# Altium PCB ZJUDancer_Circuit_V3.6.3.PcbDoc (part 1 of 3) (continued)
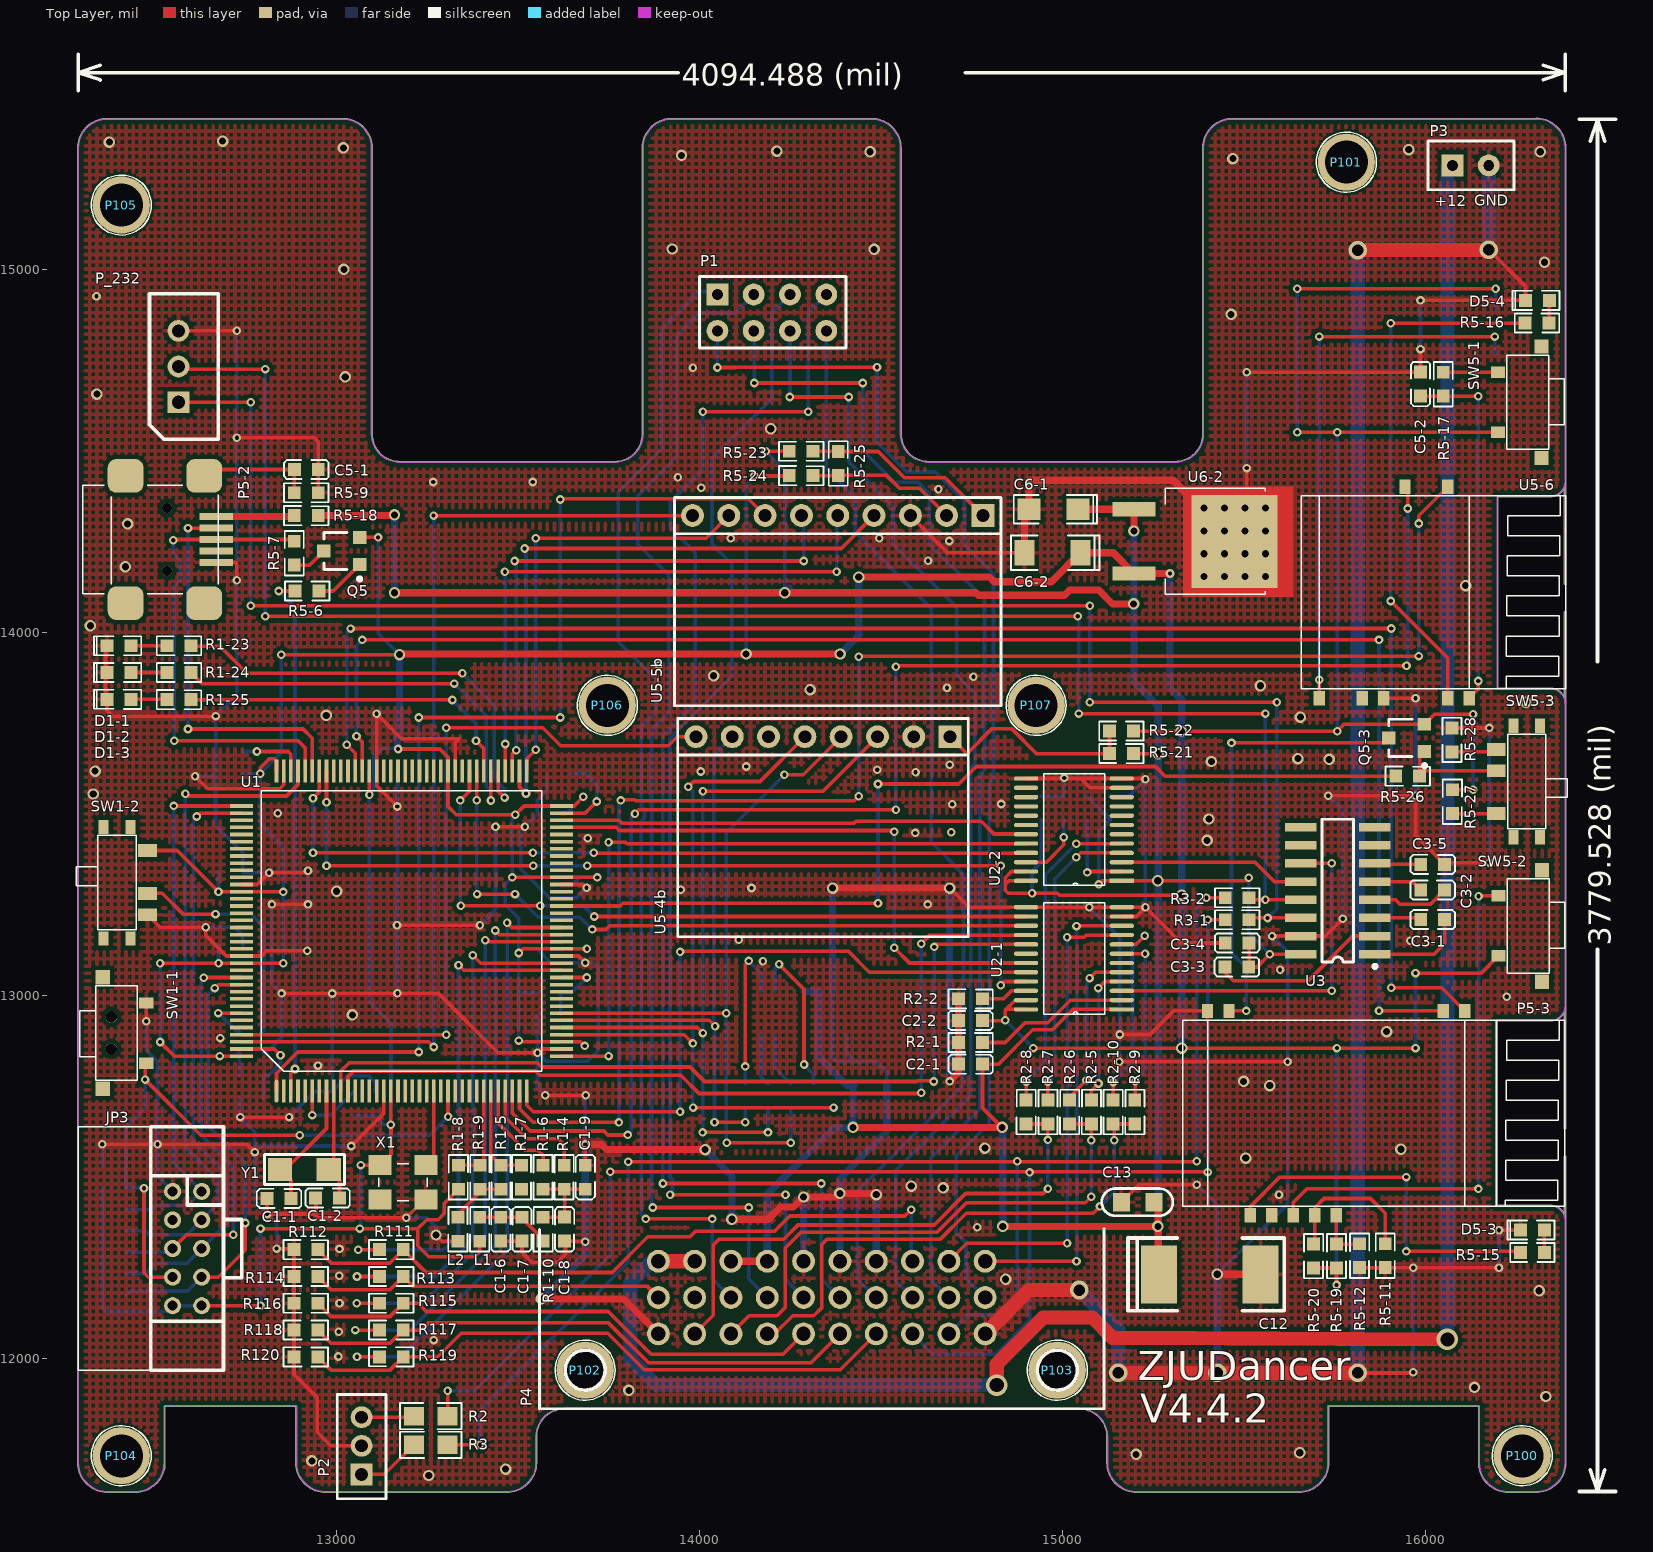
[diagram p0: Top Layer view]
## Components (designator, comment, footprint, x,y, rotation, side; value= is the part's Value field where it differs from the comment) (continued)
R2-7 "Res" 0603_Res 14958.98,12678.27 r90 top
R2-8 "Res" 0603_Res 14899.14,12678.27 r90 top
R2-9 "Res" 0603_Res 15198.35,12678.27 r90 top
R2-10 "Res" 0603_Res 15138.5,12678.27 r90 top
R3 "4.7k" 0805R 13305.66,11761.46 r180 top
R3-1 "Res_0603" 0603_Res 15480.4,13207.8 r180 top
R3-2 "Res_0603" 0603_Res 15480.4,13268.29 r180 top
R4-1 "Res_0603" 0603_Res 14313.32,12723.42 r270 bottom
R4-2 "Res_0603" 0603_Res 14187.99,12723.42 r270 bottom
R4-3 "Res_0603" 0603_Res 14125.33,12723.42 r270 bottom
R4-4 "Res_0603" 0603_Res 14250.65,12723.42 r270 bottom
R5-6 "Res" 0603_Res 12918.73,14113.19 r180 top
R5-7 "Res" 0603_Res 12883.3,14217.52 r90 top
R5-9 "Res" 0603_Res 12916.34,14383.86 r0 top
R5-11 "Res" 0603_Res 15888.09,12282.48 r270 top
R5-12 "Res" 0603_Res 15817.61,12282.48 r270 top
R5-15 "Res_0603" 0603_Res 16293.31,12291.34 r180 top
R5-16 "Res_0603" 0603_Res 16306.1,14851.38 r180 top
R5-17 "Res_0603" 0603_Res 16047.83,14682.87 r270 top
R5-18 "Res_0603" 0603_Res 12916.34,14320.87 r0 top
R5-19 "Res" 0603_Res 15753.94,12281.5 r270 top
R5-20 "Res" 0603_Res 15690.94,12281.5 r270 top
R5-21 "Res" 0603_Res 15161.42,13665.35 r180 top
R5-22 "Res" 0603_Res 15161.42,13727.36 r180 top
R5-23 "Res" 0603_Res 14279.54,14498.15 r0 top
R5-24 "Res" 0603_Res 14279.54,14431.02 r0 top
R5-25 "Res" 0603_Res 14381.48,14464.49 r90 top
R5-26 "Res_0603" 0603_Res 15949.8,13603.35 r0 top
R5-27 "Res_0603" 0603_Res 16072.83,13532.91 r270 top
R5-28 "Res_0603" 0603_Res 16071.85,13703.18 r90 top
R111 "Res" 0603_Res 13150.59,12299.14 r180 top
R112 "Res" 0603_Res 12915.35,12299.22 r0 top
R113 "Res" 0603_Res 13150.59,12225.32 r180 top
R114 "Res" 0603_Res 12915.35,12225.4 r0 top
R115 "Res" 0603_Res 13150.59,12151.5 r180 top
R116 "Res" 0603_Res 12915.35,12151.58 r0 top
R117 "Res" 0603_Res 13150.59,12077.68 r180 top
R118 "Res" 0603_Res 12915.35,12077.76 r0 top
R119 "Res" 0603_Res 13150.59,12003.86 r180 top
R120 "Res" 0603_Res 12915.35,12003.94 r0 top
SW1-1 "Button_smd_ce" BUTTON_SMD_CE 12405.04,12895.79 r270 top
SW1-2 "Switch_MSK-01B" SWITCH_MSK-01B 12395.39,13309.99 r270 top
SW5-1 "Button_smd_ce" Button_smd_ce_hl 16269.21,14632.99 r90 top
SW5-2 "Button_smd_ce" Button_smd_ce_hl 16270.67,13190.94 r90 top
SW5-3 "Switch_MSK-01B" Switch_MSK-01B 16277.56,13588.58 r90 top
SW5-6 "Switch_MSK-01B" Switch_MSK-01B 16275.65,14796.26 r270 bottom
U1 "STM32F407Z" STM32F407_LQFP144 12834.44,12727.95 r90 top
U2-1 "SN74LVC4245" SN74LVC4245_SOP24_Small 15030.69,13101.61 r180 top
U2-2 "SN74LVC4245" SN74LVC4245_SOP24_Small 15030.69,13455.94 r180 top
U3 "MAX232" MAX232_SOIC16 15857.4,13112.91 r180 top
U5-4b "MPU6000_module_dip" MPU6000_module_dip 14689.57,13711.99 r180 top locked
U5-5b "HMC5983-module-dip" HMC5983-module-dip 14780.13,14320.99 r180 top locked
U5-6 "HM11" HM11 15706.22,14375.12 r270 top locked
U6-2 "LD29150_3.3" DPAK_LD29150-3.3 15479.17,14250 r270 top
X1 "XTAL" XTAL_SOURCE_8M_3225 13182.86,12484.84 r0 top
Y1 "Crystal_ns_3215" Crystal_ns_3215 12911.2,12520.27 r180 top
? "gpyo-connector" gypo-connector 14129.61,12892.83 r0 bottom locked

## Footprints (in the part's own frame and the unit in brackets; to place one, negate y for a bottom-side part, rotate by r counter-clockwise, add the part's x,y. Pads: shape width x height; smd on the part's side, far side on the other; paste and mask are expansions set on the pad)
0603_INDUCTOR [mm]
  rect 0.9x0.9 smd: 1(-0.836,0) 2(0.836,0)
  silkscreen extent -1.56,-0.67 1.55,0.67, body extent -0.81,-0.4 0.81,0.4, height 0.39
0603_LED [mm]
  rect 0.9x0.9 smd: 1(-0.836,0) 2(0.836,0)
  silkscreen extent -1.56,-0.67 1.74,0.67, body extent -0.81,-0.4 0.81,0.4, height 0.39
0603_Res [mm]
  rect 0.9x0.9 smd: 1(-0.836,0) 2(0.836,0)
  silkscreen extent -1.56,-0.67 1.55,0.67, body extent -0.81,-0.4 0.81,0.4, height 0.39
0603_RES [mm]
  rect 0.9x0.9 smd: 1(-0.836,0) 2(0.836,0)
  silkscreen extent -1.56,-0.67 1.55,0.67, body extent -0.81,-0.4 0.81,0.4, height 0.39
0805c [mm]
  rect 1.2x1.3 smd: 1(0,0) 2(2.286,0)
  silkscreen extent -1.37,-0.95 3.59,0.95
0805R [mm]
  rect 1.4x1.3 smd: 1(0,0) 2(2.362,0)
  silkscreen extent -0.97,-0.91 3.33,0.91
"5264-3 - wan" [mil]
  rect 60x60 hole 36: 1(-98.43,0)
  round 60 hole 36: 2(0,0) 3(98.43,0)
  silkscreen extent -200,-110 200,80, body extent -199,-14 195,278, height 197
8550_SOT23 [mm]
  rect 0.9x0.95 smd: 1(-0.95,-1.25) 2(0.95,-1.25) 3(0,1.25)
  silkscreen extent -2.07,-1.38 1.3,1.25, body extent -1.45,-1.47 1.45,1.33, height 1.2
BlueTooth_BC04-B [mm]
  rect 1x0.8 smd: 1(-0.65,18) 2(-0.65,16.5) 12(-0.65,1.5) 13(-0.65,0) 24(13.65,3) 25(13.65,4.5) 26(13.65,6) 27(13.65,7.5) 28(13.65,9)
  silkscreen extent 0,-1.75 13,25
BUTTON_SMD_CE [mm]
  rect 1x1 smd: 0(-3.9,-1.25) 0(3.9,-1.25)
  rect 0.8x1 smd: 1(2.1,1.8) 2(-2.1,1.8)
  round 0.8 hole 0.8: 5(-1.125,-0.65) 5(1.125,-0.65)
  silkscreen extent -3.3,-2.85 3.3,1.17, body extent -3.95,-2.7 3.85,2, height 3.42
Button_smd_ce_hl [mm]
  rect 1x1 smd: 0(-3.9,-1.25) 0(3.9,-1.25)
  rect 0.8x1 smd: 1(2.1,1.8) 2(-2.1,1.8)
  silkscreen extent -3.3,-2.85 3.3,1.17, body extent -3.95,-2.7 3.85,2, height 3.42
CAP_0603 [mm]
  rect 0.9x0.9 smd: 1(-0.836,0) 2(0.836,0)
  silkscreen extent -1.56,-0.67 1.55,0.67, body extent -0.84,-0.42 0.83,0.42, height 0.56
Cap_0603 [mm]
  rect 0.9x0.9 smd: 1(-0.836,0) 2(0.836,0)
  silkscreen extent -1.56,-0.67 1.55,0.67, body extent -0.83,-0.41 0.83,0.43, height 0.56
Crystal_ns_3215 [mm]
  rect 1.7x1.6 smd: 1(-1.7,0) 2(1.7,0)
  silkscreen extent -2.8,-1.05 2.8,1.05, body extent -1.6,-0.75 1.6,0.75, height 0.82
"DIN 41612-30P/P" [mm]
  round 2.8 hole 2.8 mask+0: 0(-27.91,7.62)
  oval 0x2.8 hole 2.8 mask+0: 0(5.12,7.62)
  round 1.6 hole 1: 1(0,0) 2(-2.54,0) 3(-5.08,0) 4(-7.62,0) 5(-10.16,0) 6(-12.7,0) 7(-15.24,0) 8(-17.78,0) 9(-20.32,0) 10(-22.86,0) 11(0,2.54) 12(-2.54,2.54) 13(-5.08,2.54) 14(-7.62,2.54) 15(-10.16,2.54) 16(-12.7,2.54) 17(-15.24,2.54) 18(-17.78,2.54) 19(-20.32,2.54) 20(-22.86,2.54) 21(0,5.08) 22(-2.54,5.08) 23(-5.08,5.08) 24(-7.62,5.08) 25(-10.16,5.08) 26(-12.7,5.08) 27(-15.24,5.08) 28(-17.78,5.08) 29(-20.32,5.08) 30(-22.86,5.08)
  silkscreen extent -31.17,-2.27 8.32,10.33
DPAK_LD29150-3.3 [mm]
  rect 1x3 smd: 1(-2.25,-7.196) 3(2.25,-7.196)
  rect 6.5x6 smd: 2(0,-0.163)
  silkscreen extent -3.7,-5 3.7,2, body extent -3.25,-8 3.25,2, height 2.32
gypo-connector [mm]
  oval 0.6x2.5 smd: 1(0,0) 2(0,-3) 3(1,0) 4(1,-3) 5(2,0) 6(2,-3) 7(3,0) 8(3,-3) 9(4,0) 10(4,-3) 11(5,0) 12(5,-3) 13(6,0) 14(6,-3) 15(7,0) 16(7,-3) 17(8,0) 18(8,-3) 19(9,0) 20(9,-3) 21(10,0) 22(10,-3) 23(11,0) 24(11,-3)
  silkscreen extent -0.6,-4.5 11.6,1.5
HEADER2.0_3 [mil]
  rect 60x60 hole 35.43: 1(0,0)
  round 60 hole 35.43: 2(78.74,0) 3(157.48,0)
  silkscreen extent -67,-67 220,67
HEADER2.54_2 [mil]
  rect 60x60 hole 30: 1(0,0)
  round 60 hole 30: 2(100,0)
  silkscreen extent -67,-67 169,67
HEADER2.54_4*2 [mil]
  rect 60x60 hole 30: 1(0,0)
  round 60 hole 30: 2(100,0) 3(200,0) 4(300,0) 5(0,-100) 6(100,-100) 7(200,-100) 8(300,-100)
  silkscreen extent -49,-148 354,49
HM11 [mm]
  rect 1x0.8 smd: 2(-0.65,9) 4(-0.65,6) 9(14.15,0) 11(14.15,3) 12(14.15,4.5) 15(14.15,9) 16(14.15,10.5)
  silkscreen extent 0,-1.25 13.5,17.25, body extent 0,-1.25 13.5,17.25, height 1.63
HMC5983-module-dip [mm] "Connector; Header; 9 Position"
  rect 1.6x1.6 hole 0.9: 1(0,0)
  round 1.6 hole 0.9: 2(2.54,0) 3(5.08,0) 4(7.62,0) 5(10.16,0) 6(12.7,0) 7(15.24,0) 8(17.78,0) 9(20.32,0)
  silkscreen extent -1.27,-1.27 21.59,13.3
ISP_MIN [mm]
  round 1.2 hole 0.7: 1(-4,-1.016) 2(-4,1.016) 3(-2,-1.016) 4(-2,1.016) 5(0,-1.016) 6(0,1.016) 7(2,-1.016) 8(2,1.016) 9(4,-1.016) 10(4,1.016)
  silkscreen extent -8.51,-3.81 8.51,7.63, body extent -8.61,-1.22 8.59,7.63, height 5.42
MAX232_SOIC16 [mm]
  rect 2.2x0.6 smd: 1(-0.06,0) 2(-0.06,-1.27) 3(-0.06,-2.54) 4(-0.06,-3.81) 5(-0.06,-5.08) 6(-0.06,-6.35) 7(-0.06,-7.62) 8(-0.06,-8.89) 9(5.14,-8.89) 10(5.14,-7.62) 11(5.14,-6.35) 12(5.14,-5.08) 13(5.14,-3.81) 14(5.14,-2.54) 15(5.14,-1.27) 16(5.14,0)
  silkscreen extent -0.18,-9.44 3.64,0.97, body extent -0.45,-9.4 5.55,0.5, height 1.64
MPU6000_module_dip [mm] "Connector; Header; 8 Position"
  rect 1.6x1.6 hole 0.9: 1(0,0)
  round 1.6 hole 0.9: 2(2.54,0) 3(5.08,0) 4(7.62,0) 5(10.16,0) 6(12.7,0) 7(15.24,0) 8(17.78,0)
  silkscreen extent -1.27,-1.27 19.05,14
SN74LVC4245_SOP24_Small [mm]
  rect 1.7x0.3 smd: 1(-3.35,3.575)
  oval 1.7x0.3 smd: 2(-3.35,2.925) 3(-3.35,2.275) 4(-3.35,1.625) 5(-3.35,0.975) 6(-3.35,0.325) 7(-3.35,-0.325) 8(-3.35,-0.975) 9(-3.35,-1.625) 10(-3.35,-2.275) 11(-3.35,-2.925) 12(-3.35,-3.575) 13(3.35,-3.575) 14(3.35,-2.925) 15(3.35,-2.275) 16(3.35,-1.625) 17(3.35,-0.975) 18(3.35,-0.325) 19(3.35,0.325) 20(3.35,0.975) 21(3.35,1.625) 22(3.35,2.275) 23(3.35,2.925) 24(3.35,3.575)
  silkscreen extent -2.16,-3.9 2.12,3.9, body extent -3.21,-3.9 3.19,3.9, height 0.95
STM32F407_LQFP144 [mm]
  oval 1.6x0.254 smd: 1(0.2,0)
  rect 1.6x0.254 smd: 2(0.2,-0.5) 3(0.2,-1) 4(0.2,-1.5) 5(0.2,-2) 6(0.2,-2.5) 7(0.2,-3) 8(0.2,-3.5) 9(0.2,-4) 10(0.2,-4.5) 11(0.2,-5) 12(0.2,-5.5) 13(0.2,-6) 14(0.2,-6.5) 15(0.2,-7) 16(0.2,-7.5) 17(0.2,-8) 18(0.2,-8.5) 19(0.2,-9) 20(0.2,-9.5) 21(0.2,-10) 22(0.2,-10.5) 23(0.2,-11) 24(0.2,-11.5) 25(0.2,-12) 26(0.2,-12.5) 27(0.2,-13) 28(0.2,-13.5) 29(0.2,-14) 30(0.2,-14.5) 31(0.2,-15) 32(0.2,-15.5) 33(0.2,-16) 34(0.2,-16.5) 35(0.2,-17) 36(0.2,-17.5) 73(22.6,-17.5) 74(22.6,-17) 75(22.6,-16.5) 76(22.6,-16) 77(22.6,-15.5) 78(22.6,-15) 79(22.6,-14.5) 80(22.6,-14) 81(22.6,-13.5) 82(22.6,-13) 83(22.6,-12.5) 84(22.6,-12) 85(22.6,-11.5) 86(22.6,-11) 87(22.6,-10.5) 88(22.6,-10) 89(22.6,-9.5) 90(22.6,-9) 91(22.6,-8.5) 92(22.6,-8) 93(22.6,-7.5) 94(22.6,-7) 95(22.6,-6.5) 96(22.6,-6) 97(22.6,-5.5) 98(22.6,-5) 99(22.6,-4.5) 100(22.6,-4) 101(22.6,-3.5) 102(22.6,-3) 103(22.6,-2.5) 104(22.6,-2) 105(22.6,-1.5) 106(22.6,-1) 107(22.6,-0.5) 108(22.6,0)
  rect 0.254x1.6 smd: 37(2.65,-19.95) 38(3.15,-19.95) 39(3.65,-19.95) 40(4.15,-19.95) 41(4.65,-19.95) 42(5.15,-19.95) 43(5.65,-19.95) 44(6.15,-19.95) 45(6.65,-19.95) 46(7.15,-19.95) 47(7.65,-19.95) 48(8.15,-19.95) 49(8.65,-19.95) 50(9.15,-19.95) 51(9.65,-19.95) 52(10.15,-19.95) 53(10.65,-19.95) 54(11.15,-19.95) 55(11.65,-19.95) 56(12.15,-19.95) 57(12.65,-19.95) 58(13.15,-19.95) 59(13.65,-19.95) 60(14.15,-19.95) 61(14.65,-19.95) 62(15.15,-19.95) 63(15.65,-19.95) 64(16.15,-19.95) 65(16.65,-19.95) 66(17.15,-19.95) 67(17.65,-19.95) 68(18.15,-19.95) 69(18.65,-19.95) 70(19.15,-19.95) 71(19.65,-19.95) 72(20.15,-19.95) 109(20.15,2.45) 110(19.65,2.45) 111(19.15,2.45) 112(18.65,2.45) 113(18.15,2.45) 114(17.65,2.45) 115(17.15,2.45) 116(16.65,2.45) 117(16.15,2.45) 118(15.65,2.45) 119(15.15,2.45) 120(14.65,2.45) 121(14.15,2.45) 122(13.65,2.45) 123(13.15,2.45) 124(12.65,2.45) 125(12.15,2.45) 126(11.65,2.45) 127(11.15,2.45) 128(10.65,2.45) 129(10.15,2.45) 130(9.65,2.45) 131(9.15,2.45) 132(8.65,2.45) 133(8.15,2.45) 134(7.65,2.45) 135(7.15,2.45) 136(6.65,2.45) 137(6.15,2.45) 138(5.65,2.45) 139(5.15,2.45) 140(4.65,2.45) 141(4.15,2.45) 142(3.65,2.45) 143(3.15,2.45) 144(2.65,2.45)
  silkscreen extent 1.59,-18.56 21.21,1.06, body extent 0.4,-19.75 22.4,2.25, height 1.5
SWITCH_MSK-01B [mm]
  rect 1x0.7 smd: 0(-3.9,-0.948) 0(-3.9,0.923) 0(3.9,-0.948) 0(3.9,0.923)
  rect 0.9x1.3 smd: 1(-2.25,2.127) 2(0.75,2.127) 3(2.25,2.127)
  silkscreen extent -3.3,-2.85 3.3,1.33, body extent -3.9,-2.85 3.9,2.35, height 1.42
Switch_MSK-01B [mm]
  rect 1x0.7 smd: 0(-3.9,-0.948) 0(-3.9,0.923) 0(3.9,-0.948) 0(3.9,0.923)
  rect 0.9x1.3 smd: 1(-2.25,2.127) 2(0.75,2.127) 3(2.25,2.127)
  silkscreen extent -3.3,-2.85 3.3,1.33, body extent -3.9,-2.85 3.9,2.35, height 1.42
TCAP_3216A [mm]
  rect 1.6x1.5 smd: 1(-1.8,0) 2(1.65,0)
  silkscreen extent -3.13,-1 2.7,1, body extent -1.65,-0.8 1.65,0.8, height 1.6
TCAP_3528A [mm]
  rect 1.4x1.8 smd: 1(-1.95,0) 2(1.95,0)
  silkscreen extent -3.3,-1.2 2.9,1.2, body extent -1.8,-1.4 1.8,1.4, height 1.8
TCap_7343D [mil]
  rect 100x160 smd: 1(-140,0) 2(140,0)
  silkscreen extent -225,-100 205,100
USB-MINI-B [mm]
  round 0.7 hole 0.7: 0(-2.2,2.9) 0(2.2,2.9)
  rect 0.5x2.35 smd: 1(-1.6,6.335) 2(-0.8,6.335) 3(0,6.335) 4(0.8,6.335) 5(1.6,6.335)
  rrect50% 2.35x2.5 smd: 6(-4.45,5.5) 6(-4.45,0) 6(4.45,5.5) 6(4.45,0)
  silkscreen extent -3.81,-3 3.81,6.48, body extent -5.36,-3.26 5.34,7.14, height 3.97
XTAL_SOURCE_8M_3225 [mm]
  rect 1.6x1.4 smd: 1(-1.6,-1.2) 2(1.6,-1.2) 3(1.6,1.2) 4(-1.6,1.2)
  silkscreen extent -1.7,-1.3 1.7,1.3, body extent -1.6,-1.25 1.6,1.25, height 0.98
小安装孔 [mm]
  round 4 hole 3: 1(0,0)
  silkscreen extent -2.1,-2.1 2.1,2.1

## Part data
C6-1 C6-2: "Tantalum Capacitor,  SMD"
C10 C13: library part Cap, "Capacit"
C12: library part "Cap Tan", "tantalum capacitor"
JP3: "Header, 5-Pin, Dual row"
L1 L2: "电¸"
P1: library part "Header 4"
P3: library part "Header 2", "Header, 2-P"
P4: library part "DIN 41612-3"
P5-2: library part USB_Mini_B
P5-3: "蓝牙模块BC0"
P100 P101 P102 P103 P104 P105 P106 P107: "SMB Straight Con"
Q5 Q5-3: "PNP Bipolar Transistor,  SMD"
R1-1 R1-2 R1-3 R1-4 R1-5 R1-6 R1-7 R1-8 R1-9 R1-10 R1-11 R1-18 R1-19 R1-20 R1-23 R1-24 R1-25 R2-1 R2-2 R2-3 R2-4 R2-5 R2-6 R2-7 R2-8 R2-9 R2-10 R5-6 R5-7 R5-9 R5-11 R5-12 R5-15 R5-16 R5-17 R5-18 R5-19 R5-20 R5-21 R5-22 R5-23 R5-24 R5-25 R5-26 R5-27 R5-28 R111 R112 R113 R114 R115 R116 R117 R118 R119 R120: "Resistor"
R1-12 R1-13 R1-14 R1-15 R1-16 R3-1 R3-2 R4-1 R4-2 R4-3 R4-4: library part Res, "Resistor"
R2 R3: library part Res, "Resist"
U1: "ARM-Cortex-M4-Microcontroller"
U2-1 U2-2: "3.3V-5V电平×"
U3: "+5V Powered, Multi-Channel RS-232 Driver/Receiver"
U5-6: "Bluetooth Module"
X1: library part XTAL_Source_8M_3225, "有源晶Õ"
Y1: "无源¾"

## Via types
v1: diameter 23.62, hole 11.81, Top Layer to Bottom Layer, 354 vias
v2: diameter 31.5, hole 19.68, Top Layer to Bottom Layer, 82 vias
v3: diameter 39.37, hole 19.68, Top Layer to Bottom Layer, 16 vias
v4: diameter 51.18, hole 31.5, Top Layer to Bottom Layer, 6 vias
v5: diameter 59.06, hole 39.37, Top Layer to Bottom Layer, 2 vias

## Nets (pads, with @x,y where several pads share a name; then routed paths per layer and width w, separated by ;. In a path a pad name is that pad's centre, name@x,y a point inside that pad or via, vN(x,y) a via of type N, cw(c..) or ccw(c..) an arc to the next point about the centre after c; other vN are vias at no path point)
+3.3V: C1-10.2 C1-11.2 C1-12.2 C1-13.2 C1-14.2 C1-15.2 C1-16.2 C1-17.2 C1-18.2 C1-19.2 C1-20.2 C2-2.1 C2-4.1 C6-2.1 JP3.1 JP3.2 L1.1 Q5-3.2 Q5.2 R1-1.1 R1-3.2 R1-8.2 R1-12.1 R1-13.1 R1-14.1 R1-15.1 R1-16.1 R1-18.2 R1-20.2 R5-19.2 R5-20.2 R5-22.1 R5-24.1 R5-27.1 SW1-2.1 SW5-1.2 SW5-2.2 SW5-6.1 U1.17 U1.39 U1.52 U1.62 U1.72 U1.84 U1.95 U1.108 U1.121 U1.131 U1.144 U2-1.23 U2-1.24 U2-2.23 U2-2.24 U6-2.3 X1.4 | length 20751.9
  Top Layer w10: SW1-2.1@12479.11,13398.57 12561.07,13398.57 v1(12674.61,13285.04) U1.121@12737.98,13285.04 12852.17,13285.04 v1(12852.76,13284.45) ; v1(12513.78,12871.06) 12552.56,12832.28 v1(12677.75,12832.28) U1.144@12737.98,12832.28 ; v1(12513.78,13088.19) v1(12674.8,13088.19) U1.131@12737.98,13088.19 v1(12852.76,13088.19) ; JP3.1@12628.46,12144.8 v1(12790.35,12144.8) ; v1(12789.37,13610.24) 12789.37,13625.98 12814.96,13651.57 12827.76,13651.57 12834.44,13644.9 U1.108@12834.44,13617.71 ; v1(12790.35,12357.28) v1(13063.98,12357.28) 13223.43,12357.28 ; v1(12847.44,13937.99) v2(13173.23,13937.99) ; Q5.2@13063.42,14260.83 v1(13114.17,14260.83) ; v1(13066.53,12532.08) X1.4@13119.87,12532.08 13149.76,12561.98 v1@13149.76,12643.08 ; v1(13090.34,13552.38) U1.95@13090.34,13617.71 ; v1(13149.4,12643.08) 13149.4,12668.83 ; U1.17@13149.4,12735.83 13149.4,12668.83 ; 13149.76,12668.46 13149.4,12668.83 ; v1(13169.29,13678.15) 13284.02,13678.15 13306.88,13655.29 U1.84@13306.88,13617.71 13306.88,13519.9 13329.72,13497.05 v1(13492.13,13497.05) 13516.34,13521.26 U1.72@13619.87,13521.26 13654.13,13521.26 v1(13679.13,13546.26) ; R1-8.2@13335.42,12465.71 13296.26,12426.56 13296.26,12398.62 13279.53,12381.89 13248.03,12381.89 13223.43,12357.28 ; L1.1@13394.02,12322.51 13394.02,12293.63 13379.92,12279.53 13253.94,12279.53 13223.43,12310.04 13223.43,12357.28 ; v1(13483.66,13324.41) U1.62@13619.87,13324.41 v1(13718.11,13324.41) ; v1(13501.97,12875) 13505.32,12871.65 U1.39@13619.87,12871.65 13671.66,12871.65 v1(13683.07,12860.24) ; v1(13501.97,13116.14) 13513.38,13127.56 U1.52@13619.87,13127.56 v1(13689.37,13127.56) ; v1(14150.59,14430.12) 14245.73,14430.12 R5-24.1@14246.64,14431.02 ; C2-2.1@14778.91,12930.11 14840.54,12930.11 v1(14841.54,12931.1) 14841.54,12958.66 14843.74,12960.86 ; U2-1.24@14898.8,12960.86 14843.74,12960.86 ; U2-1.23@14898.8,12986.45 14869.33,12986.45 14843.74,12960.86 ; U2-2.24@14898.8,13315.19 14851.61,13315.19 14841.54,13305.12 ; U2-2.23@14898.8,13340.78 14858.5,13340.78 14841.54,13323.82 14841.54,13305.12 ; v1(14918.31,12854.33) v2(15327.76,12854.33) v1(15754.92,12854.33) v1(15971.46,12854.33) ; R5-22.1@15194.32,13727.36 v2(15326.77,13727.36) v1(15755.91,13727.36) 15774.6,13746.06 Q5-3.2@15996.06,13746.06 16023.62,13773.62 v1(16129.92,13773.62) ; v2(15327.76,13275.59) 14990.16,13275.59 14985.24,13280.51 v1(14915.35,13280.51) 14850.39,13280.51 14841.54,13289.37 14841.54,13305.12 ; v1(15645.67,14550.31) v1(15755.91,14550.31) SW5-1.2@16198.35,14550.31 ; v1(15645.67,14945.87) v1(16191.93,14945.87) ; R5-20.2@15690.94,12248.59 R5-19.2@15753.94,12248.59 v1(15753.94,12201.77) ; v1@15968.5,13063.98 v1(15971.46,13061.02) ; v1@15971.46,13060.04 16151.58,13060.04 SW5-2.2@16199.8,13108.27 ; R5-27.1@16072.83,13565.81 v1(16129.92,13565.81)
  Top Layer w19.68: v2(13173.23,13937.99) 13175.04,13939.8 v2(14127.95,13939.8) v2(14386.81,13939.8) ; v2(14437.83,14151.57) 14798.23,14151.57 14811.02,14138.78 14968.5,14138.78 C6-2.1@15048.23,14218.5 15138.78,14218.5 U6-2.3@15195.87,14161.42 v1(15295.28,14161.42)
  Bottom Layer w10: R1-3.2@12354.27,12470.54 12354.27,12139.83 12364.17,12129.92 12533.58,12129.92 JP3.2@12548.46,12144.8 JP3.1@12628.46,12144.8 ; v1(12513.78,12871.06) v1(12513.78,13088.19) ; v1(12674.61,13285.04) 12674.61,13337.01 C1-20.2@12675.2,13337.6 ; v1(12674.8,13088.19) 12674.8,13137.65 C1-19.2@12675.54,13138.39 ; v1(12677.75,12832.28) 12723.15,12832.28 C1-18.2@12731.86,12840.99 ; R1-18.2@12731.86,12778.54 C1-18.2@12731.86,12840.99 ; C1-18.2@12732.41,12841.54 C1-18.2@12731.86,12840.99 ; C1-10.2@12741.07,13610.24 v1(12789.37,13610.24) ; v1(12790.35,12144.8) v1(12790.35,12357.28) ; v1(12847.44,13937.99) 12847.44,13668.31 v1(12789.37,13610.24) ; v1(12852.76,13088.19) v1(12852.76,13284.45) 12852.76,13408.07 12789.37,13471.46 v1(12789.37,13610.24) ; R1-20.2@13047.03,12668.47 C1-17.2@13106.08,12668.46 13131.46,12643.08 v1(13149.4,12643.08) 13149.4,12695.5 13149.76,12695.87 13149.76,12923.07 13090.34,12982.49 v1(13090.34,13552.38) 13101.72,13563.76 C1-11.2@13101.72,13617.72 13101.72,13655.85 13125.55,13679.69 v1@13167.75,13679.69 ; v1(13063.98,12357.28) 13066.53,12359.84 v1(13066.53,12532.08) ; v1(13114.17,14260.83) 13114.17,13997.05 v2(13173.23,13937.99) ; v1(13483.66,13324.41) v1@13483.66,13325.2 ; v1(13492.13,13497.05) 13483.66,13488.59 v1@13483.66,13325.2 ; v1(13501.97,12875) 13501.97,13007.2 ; R1-1.1@13551.17,13007.2 13501.97,13007.2 ; C1-16.2@13616.79,12870.66 13672.65,12870.66 v1(13683.07,12860.24) ; C1-14.2@13618.11,13302.17 13647.64,13302.17 13669.88,13324.41 v1(13718.11,13324.41) ; C1-13.2@13618.54,13498.03 13630.9,13498.03 v1(13679.13,13546.26) ; C1-15.2@13620.92,13124.6 13623.88,13127.56 v1(13689.37,13127.56) ; v2(14127.95,13939.8) 14127.95,14407.48 v1(14150.59,14430.12) ; v1(14841.54,12931.1) v1(14918.31,12854.33) ; v1(14915.35,13280.51) 14915.35,13341.54 14941.3,13367.48 C2-4.1@14941.3,13482.42 ; v2(15326.77,13727.36) v2@15327.76,13728.35 ; v1(15645.67,14550.31) v1(15645.67,14945.87) ; v1(15753.94,12201.77) v1@15753.94,12853.35 ; v1(15754.92,12854.33) v1@15755.91,12853.35 ; v1(15755.91,13727.36) v1(15755.91,14550.31) ; v1(15971.46,12854.33) v1(15971.46,13061.02) ; v1(16129.92,13565.81) v1(16129.92,13773.62) ; SW5-6.1@16191.93,14884.84 v1(16191.93,14945.87) ; v1@13483.66,13325.2 13464.81,13306.35 13464.81,13248.77 13501.97,13211.61 v1(13501.97,13116.14) 13501.97,13007.2
  Bottom Layer w19.68: v1@13167.75,13679.69 C1-12.2@13167.75,13720.47 13173.23,13725.94 v2(13173.23,13937.99) ; v2(14386.81,13939.8) 14437.83,13990.83 v2(14437.83,14151.57) ; v1(15295.28,14161.42) 15295.28,13846.46 15327.76,13813.98 15327.76,13728.35 v2(15327.76,13275.59) v2(15327.76,12854.33)
+5V: ?.10 ?.11 ?.12 C2-1.2 C2-3.2 C3-3.2 C3-4.1 C6-1.1 C10.2 C12.1 C13.2 P4.3 P4.4 R2-3.2 R5-18.2 R5-21.1 R5-23.1 U2-1.1 U2-2.1 U3.16 U6-2.1 | length 9386.1
  Top Layer w10: v1(14182.09,14498.03) 14246.52,14498.03 R5-23.1@14246.64,14498.15 ; v2(14832.68,12635.83) 14778.98,12689.53 C2-1.2@14778.98,12810.05 14823.12,12810.05 14917.6,12904.53 14971.46,12904.53 15027.79,12960.86 U2-1.1@15162.58,12960.86 ; v1(15099.41,13305.12) 15109.49,13315.19 U2-2.1@15162.58,13315.19 v2(15261.58,13315.19) 15503.19,13315.19 v1(15511.81,13323.82) ; R5-21.1@15194.32,13665.35 v2(15262.8,13665.35) ; C3-4.1@15513.21,13143.69 15513.21,13078.73 C3-3.2@15512.24,13077.76 15535.01,13077.76 v1(15570.16,13112.91) U3.16@15655.04,13112.91
  Top Layer w19.68: R5-18.2@12949.24,14320.87 v2@13158.46,14320.87 ; v2@13158.46,14323.82 v2(13159.45,14322.83) ; v2(13159.45,14108.27) v2(14234.25,14108.27) 14760.83,14108.27 14767.72,14101.38 15004.92,14101.38 15019.19,14115.65 15098.92,14115.65 15136.81,14077.76 v2(15194.88,14077.76) ; P4.3@14086.14,12267.31 P4.4@14186.14,12267.31 ; v2(14422.24,12635.83) v2(14832.68,12635.83) ; v2(14834.65,12363.19) v2(15261.81,12363.19) ; C6-1.1@15042.32,14338.58 U6-2.1@15195.87,14338.58 v2(15195.87,14278.54) ; v2@15262.24,12364.02 C13.2@15262.24,12440.94 ; C12.1@15263.07,12231.3 v2@15263.07,12363.19
  Bottom Layer w10: v1(14182.09,14498.03) 14233.95,14446.17 v2@14233.95,14121.06 ; R2-3.2@15067.28,13548.1 15129.92,13485.45 C2-3.2@15129.92,13482.28 15099.41,13451.77 v1(15099.41,13305.12) ; v2(15261.58,13315.19) v2@15263.07,13313.7 ; v2(15262.8,13665.35) v2@15263.07,13665.08 ; v1(15511.81,13323.82) 15511.81,13171.26 v1(15570.16,13112.91)
  Bottom Layer w19.68: v2(13159.45,14108.27) v2(13159.45,14322.83) ; P4.4@14186.14,12267.31 14186.14,12451.89 14370.08,12635.83 v2(14422.24,12635.83) 14422.24,12748.03 C10.2@14425.2,12750.98 14406.5,12750.98 14326.46,12831.02 ?.11@14326.46,12892.83 ?.12@14326.46,13010.94 ?.10@14287.09,13010.94 ; v2(14234.25,14108.27) 14247.05,14121.06 ; v2(14832.68,12635.83) 14834.65,12637.8 v2(14834.65,12363.19) ; v2(15194.88,14077.76) 15195.87,14078.74 15195.87,13863.46 15263.07,13796.26 15263.07,13665.08 15263.07,13313.7 15263.07,12364.45 v2(15261.81,12363.19) ; v2@15195.87,14079.72 v2(15195.87,14278.54)
+12: P3.1 P4.1 P4.2 | length 6055.3
  Top Layer w39.37: P4.1@13886.14,12267.31 P4.2@13986.14,12267.31 ; v5(14817.91,11926.18) 14817.91,11984.25 14945.87,12112.2 15081.69,12112.2 15137.13,12056.77 v5(16059.37,12051.85)
  Bottom Layer w39.37: P4.1@13886.14,12267.31 13867.71,12267.31 13809.06,12208.66 13809.06,11997.05 13879.92,11926.18 v5(14817.91,11926.18) ; v5(16059.37,12051.85) P3.1@16059.37,15280.43
ADC123-IN10: U1.26
ADC123-IN11: U1.27
ADC123-IN12: U1.28
ADC123-IN13: U1.29
ADC123-IN14: U1.44
ADC123-IN15: U1.45
BOOT0: R1-11.2 U1.138 | length 143.4
  Top Layer w10: v1(12674.21,12950.79) 12683.63,12950.79 12684.61,12949.8 12685.2,12950.39 U1.138@12737.98,12950.39
  Bottom Layer w10: v1(12674.21,12950.79) 12723.43,12901.57 R1-11.2@12732.84,12901.57
BOOT1: R1-1.2 R1-2.2 U1.48 | length 217.6
  Top Layer w10: U1.48@13619.87,13048.82 v1(13688.58,13048.82)
  Bottom Layer w10: R1-2.2@13616.98,12947.16 R1-1.2@13616.98,13007.2 13646.97,13007.2 v1(13688.58,13048.82)
CAMERA_5V: P1.5 P4.20 | length 3357
  Top Layer w10: v1(14048.74,14728.82) 14098.9,14728.82 14099.41,14729.33 v1(14488.19,14729.33)
  Bottom Layer w10: v1(14048.74,14728.82) P1.5@14048.74,14829.84 ; v1(14488.19,14729.33) 14488.19,14522.64 14569.88,14440.94 14648.62,14440.94 14729.33,14360.24 14729.33,14240.16 14809.06,14160.43 14809.06,13593.97 14797.24,13582.16 14797.24,12647.64 14706.69,12557.09 14706.69,12345.47 14733.35,12318.82 14733.35,12220.11 P4.20@14786.14,12167.31
CAMERA_D+: P1.7 P4.18 | length 3078.2
  Top Layer w10: v1(14248.03,14647.64) v1(14410.43,14647.64)
  Bottom Layer w10: v1@14248.74,14647.64 P1.7@14248.74,14829.84 ; v1(14410.43,14647.64) 14410.43,14468.5 14532.48,14346.46 14532.48,14243.11 14707.68,14067.91 14707.68,13880.91 14757.87,13830.71 14757.87,13638.26 14746.06,13626.45 14746.06,12723.43 14539.96,12517.32 14539.96,12213.5 P4.18@14586.14,12167.31
CAMERA_D-: P1.6 P4.19 | length 3221
  Top Layer w10: v1(14150.59,14686.02) v1(14448.82,14686.02)
  Bottom Layer w10: P1.6@14148.74,14829.84 14150.59,14827.99 v1(14150.59,14686.02) ; v1(14448.82,14686.02) 14448.82,14500 14536.42,14412.4 14601.38,14412.4 14631.89,14381.89 14631.89,14243.11 14784.45,14090.55 14784.45,13620.54 14771.65,13607.75 14771.65,12686.45 14635.83,12550.62 14635.83,12217.63 P4.19@14686.14,12167.31
CAMERA_DG: P1.8 P4.17 | length 2961.6
  Bottom Layer w10: P1.8@14348.74,14829.84 14348.74,14450.47 14429.13,14370.08 14429.13,14273.62 14637.8,14064.96 14637.8,13421.26 14726.38,13332.68 14726.38,12751.97 14434.06,12459.65 14434.06,12219.4 P4.17@14486.14,12167.31
CTRL-485: P4.24 R2-9.1 R2-10.1 | length 1468.2
  Top Layer w10: P4.24@14186.14,12067.31 14206.09,12067.31 14255.91,12117.13 14313.98,12117.13 14336.61,12139.76 14336.61,12313.98 14350.39,12327.76 14661.98,12327.76 14662.96,12328.74 14663.39,12328.74 14734.25,12399.61 15083.66,12399.61 v1(15102.36,12418.31) ; v1(15141.73,12600.39) 15141.73,12642.14 R2-10.1@15138.5,12645.37 R2-9.1@15198.35,12645.37
  Bottom Layer w10: v1(15102.36,12418.31) 15141.73,12457.68 v1(15141.73,12600.39)
CTRL-485-1: R2-9.2 U2-1.7 | length 479
  Top Layer w10: U2-1.7@15162.58,13114.41 v1(15226.61,13114.41) ; R2-9.2@15198.35,12711.18 15199.8,12712.64 v1(15199.8,12762.8)
  Bottom Layer w10: v1(15199.8,12762.8) 15226.61,12789.6 v1(15226.61,13114.41)
CTRL-485-1_3.3V: U1.10 U2-1.17 | length 2347.9
  Top Layer w10: U1.10@13011.6,12735.83 13011.6,12791.13 13034.45,12813.98 13553.43,12813.98 13565.24,12802.17 13973.43,12802.17 14013.25,12762.34 14596.91,12762.34 14599.26,12764.68 14641.88,12764.68 v1(14644.23,12762.34) ; v1(14645.67,13132.87) 14652.79,13140 U2-1.17@14898.8,13140
  Bottom Layer w10: v1(14644.23,12762.34) 14645.67,12763.78 v1(14645.67,13132.87)
CTRL-485-2: R2-10.2 U2-1.8 | length 560.7
  Top Layer w10: R2-10.2@15138.5,12711.18 v1(15138.5,12760.83) ; U2-1.8@15162.58,13140 15202.01,13140 v1(15225.39,13163.39)
  Bottom Layer w10: v1(15138.5,12760.83) 15191.93,12814.25 15191.93,13129.92 v1(15225.39,13163.39)
CTRL-485-2_3.3V: U1.11 U2-1.16 | length 2360.3
  Top Layer w10: U1.11@13031.29,12735.83 13031.29,12776.36 13046.26,12791.34 13548.23,12791.34 13560.04,12779.53 13947.83,12779.53 13998.03,12729.33 v1@14610.24,12729.33 ; v1(14610.24,13141.73) 14634.09,13165.59 U2-1.16@14898.8,13165.59
  Bottom Layer w10: v1(14610.24,12731.3) v1(14610.24,13141.73)